# Altium PCB VCB2020_rev1.PcbDoc (part 1 of 2) (continued)
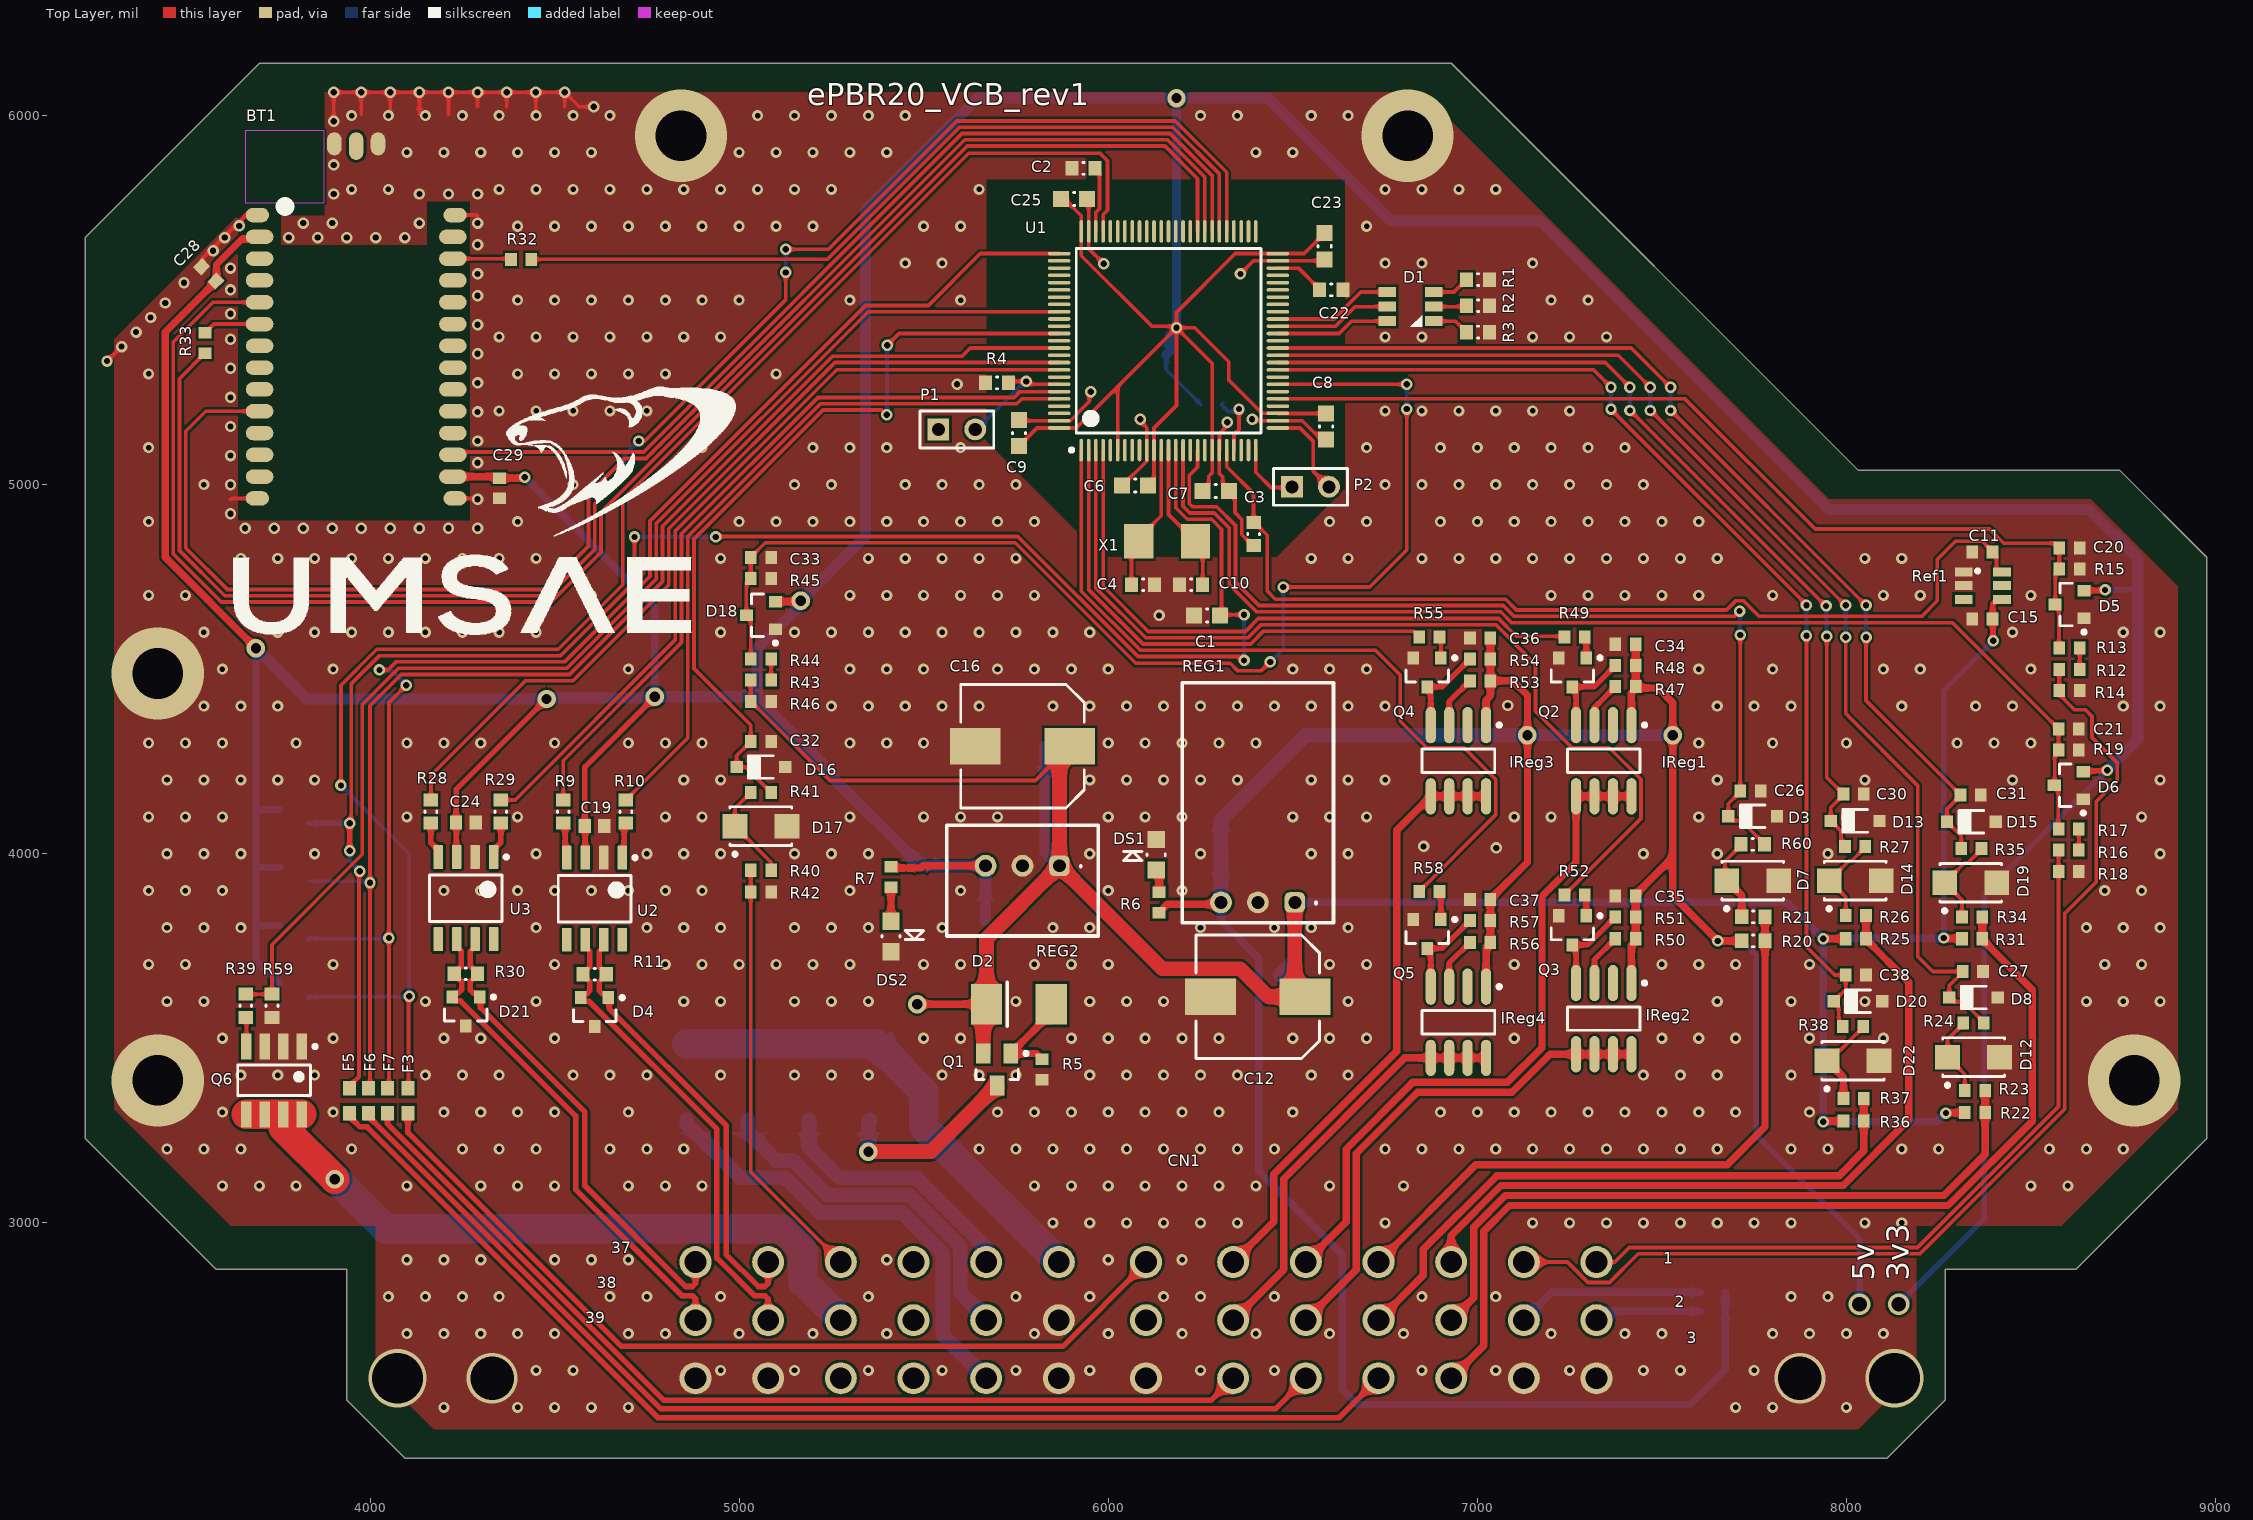
[diagram p0: Top Layer view]
## Part data (continued)
F8 F11: library part CMP-2000-05510-1, "Poly-Fuse(R) Resettable PTC, 24 V, 100 A, -40 to 85 degC, 2-Pin SMD, RoHS, Tape and Reel", Current Rating=100A, Hold Current=0.75A, Manufacturer=Littelfuse, Maximum Voltage=24VDC, Maximum Voltage DC=24V, Operating Temperature Range=-40Cto+85C, Package / Case=1812(4532metric), Package Description="2-Pin Surface Mount Device, Body 4.55 x 3.24 mm", Package Reference=1812L07524DR, Resistance=290mOhms, Trip Current=1.5A, Brand=Littelfuse, Current Rating (Max)=100A, Current Rating - Max=100A, Datasheet URL=http://www.littelfuse.com/~/media/electronics/datasheets/resettable_ptcs/littelfuse_ptc_1812l_datasheet.pdf.pdf, Datasheet Version=02/2016, Dimensions=4.37mmLx3.07mmWx0.75mmH, Factory Pack Quantity=1500, Manufacturer URL=http://www.littelfuse.com/, Mounting Style=SMD/SMT, Mounting Technology=SurfaceMount, Packaging=Reel, Product Category=ResettableFuses-PPTC, RoHS=Details, Series=1812L, Termination Style=SMD/SMT, Type=PolyFuseResettablePTC
F9 F10: library part CMP-2000-05508-1, "PTC Resettable Fuse, 0.8 W, 30 V, -40 to 85 degC, 2-Pin SMD, RoHS, Tape and Reel", Current - Hold (Ih) (Max)=500mA, Current - Max=100A, Current - Trip (It)=1A, Manufacturer=Littelfuse-Inc., Package / Case=1812(4532Metric),Concave, Package Description="2-Pin Surface Mount Device, Body 4.55 x 3.24 mm", Package Reference=1812, Voltage - Max=30V, Category=CircuitProtection, Datasheet URL=http://www.littelfuse.com/~/media/electronics/datasheets/resettable_ptcs/littelfuse_ptc_1812l_datasheet.pdf.pdf, Datasheet Version=02/2016, Family=PTCResettableFuses, Manufacturer URL=http://www.littelfuse.com/, Mounting Technology=SurfaceMount, Packaging=Tape&Reel(TR), R Min/Max=0.150~1.000Ohm, Series=POLY-FUSE®,1812L, Time to Trip=0.15s
IReg1 IReg2 IReg3 IReg4: library part "LED Currnet Driver, 500mA, 30V max", Current - Output / Channel=500mA, Frequency=-, Manufacturer="ON Semiconductor", Manufacturer Part Number=NUD4001DR2G, Operating Temperature="-40°C ~ 125°C (TA)", Package / Case="8-SOIC (0.154\", 3.90mm Width)", Supplier Device Package=8-SOIC, Supplier Part Number 1=NUD4001DR2GOSCT-ND, Voltage - Output=28V, Voltage - Supply (Max)=30V, Voltage - Supply (Min)=3.6V, Applications="Automotive, Lighting", Category="Integrated Circuits (ICs)", ComponentLink1Description=http://www.onsemi.com/pub_link/Collateral/NUD4001-D.PDF, ComponentLink1URL=http://www.onsemi.com/pub_link/Collateral/NUD4001-D.PDF, Dimming=PWM, Internal Switch(s)=Yes, Mounting Type="Surface Mount", Number of Outputs=1, Packaging="Cut Tape (CT)", Part Status=Active, Pricing 1="1=1.36, 10=1.197, 100=0.9174, 500=0.72524, 1000=0.58019 (CAD)", RoHS="RoHS Compliant", Stock 1=212669, Supplier 1=Digi-Key, Topology=-, Type=Linear
L1: library part CMP-2000-06698-1, "Chip Bead, 600 Ohm, 1 A, -55 to 125 degC, 2-Pin SMD (0603), RoHS, Tape and Reel", Current Rating (Max)=1A, DC Resistance (DCR) (Max)=200mOhm, Impedance @ Frequency=600Ohm@100MHz, Manufacturer=Bourns, Operating Temperature=-55°C~125°C, Package / Case=0603(1608Metric), Package Description="2-Pin Surface Mount Device, Body 1.6 x 0.8 mm", Package Reference=0603, Ratings=-, Standard Package=1, Supplier Part Number 1=240-2371-1-ND, Category=Filters, Datasheet URL=http://www.bourns.com/docs/Product-Datasheets/mh.pdf, Datasheet Version=03/2015, EDA / CAD Models=DownloadfromAcceleratedDesigns, Family=FerriteBeadsandChips, Filter Type=Power,SignalLine, Manufacturer URL=http://www.bourns.com/, Mounting Technology=SurfaceMount, Mounting Type=SurfaceMount, Number of Lines=1, Online Catalog=MHSeries, Other Names=MH1608-601YCT, Packaging=CutTape(CT), RoHS Information=MH1608SeriesMaterialDeclaration, Series=MH, Supplier 1=Digi-Key
P1 P2: "Header, 2-Pin", LatestRevisionDate=17-Jul-2002, LatestRevisionNote="Re-released for DXP Platform.", Publisher="Altium Limited"
Q1: library part CMP-2100-03638-1, "Single P-Channel, Logic Level, PowerTrench(R) MOSFET, 2 A, 20 V, -55 to 150 degC, 3-Pin SOT-23, RoHS, Tape and Reel", Case/Package=SOT-23, Continuous Drain Current (ID)=2A, Current Rating=-2A, Drain to Source Breakdown Voltage=-20V, Drain to Source Resistance=60mOhm, Drain to Source Voltage (Vdss)=20V, Gate to Source Voltage (Vgs)=8V, Input Capacitance=779pF, Manufacturer="Fairchild Semiconductor", Max Operating Temperature=150degC, Max Power Dissipation=500mW, Min Operating Temperature=-55degC, Package Description="3-Pin Small Outline Transistor, Body 2.92 x 1.4 mm, Pitch 0.95 mm", Package Quantity=1, Package Reference=SSOT3L, Package Version="Rev. 3, 05/2015", Threshold Voltage=-800mV, Contact Plating=Tin, Datasheet URL=https://www.fairchildsemi.com/datasheets/FD/FDN340P.pdf, Datasheet Version="Rev. E1, 02/2007", Element Configuration=Single, Fall Time=11ns, Height=0.94mm, Lead Free=LeadFree, Length=2.92mm, Manufacturer URL=https://www.fairchildsemi.com/, Mount=SurfaceMount, Number of Elements=1, Number of Pins=3, Package URL=https://www.fairchildsemi.com/package-drawings/MA/MA03B.pdf, Packaging=TapeandReel, Power Dissipation=500mW, Radiation Hardening=No, Rds On Max=70mOhm, REACH SVHC=NoSVHC, Rise Time=9ns, RoHSCompliant=true, Termination=SMD/SMT, Turn-Off Delay Time=27ns, Turn-On Delay Time=10ns, Voltage Rating (DC)=-20V, Width=3.05mm
Q2 Q3 Q4 Q5: library part CMP-1048-00593-1, "General Purpose Transistor, NPN Silicon, 3-Pin SOT-23, Tape and Reel", Manufacturer="On Semiconductor", ComponentLink1Description="Manufacturer URL", ComponentLink1URL=http://www.onsemi.com/, ComponentLink2Description=Datasheet, ComponentLink2URL=http://www.onsemi.cn/pub_link/Collateral/MMBT2222LT1-D.PDF, ComponentLink3Description="Package Specification", ComponentLink3URL=http://www.onsemi.cn/pub_link/Collateral/318-08.PDF, DatasheetVersion="Rev. 10", fT Min (MHz)=300, IC Continuous (A)=0.6, Mounting Technology="Surface Mount", PackageDescription="3-Pin Small Outline Transistor, Body 2.92 x 1.3 mm, Pitch 0.95 mm", PackageReference=SOT-23-3-318-08, PackageVersion="Rev. AP, 11/2009", Packing="Tape and Reel", PartNumber=MMBT2222ALT1, Polarity=NPN, RoHS=FALSE
Q6: library part CMP-2000-06466-1, "HEXFET (R) Power MOSFET, 30 V, -55 to 150 degC, 8-Pin SO, RoHS, Tube", Drain-Source On Resistance-Max=0.011O, Drain-to-Source Voltage [Vdss]=30V, Manufacturer="International Rectifier", Package Description="8-Pin Small Outline Integrated Circuit, Body 4.9 x 3.9 mm, Pitch 1.27 mm", Package Reference=SO-8, Rated Power Dissipation=2.5W, Supplier Part Number 1=IRF7413PBFCT-ND, Channel Type=N-Channel, Datasheet URL=http://www.infineon.com/dgdl/irf7413pbf.pdf?fileId=5546d462533600a4015355fa8e901bb8, Datasheet Version=02/2008, Manufacturer URL=http://internationalrectifier.com/, Mounting Technology=SurfaceMount, Qg Gate Charge=52nC, Supplier 1=Digi-Key
R1: library part CMP-1012-00048-1, "82R 0.1W 5% 0603 (1608 Metric)  SMD", Case-EIA=0603, Case-Metric=1608, Power="0.1 W", Tolerance="5 %", Technology=SMT
R2: library part CMP-1012-00372-1, "60R4 0.1W 1% 0603 (1608 Metric)  SMD", Case-EIA=0603, Case-Metric=1608, Power="0.1 W", Tolerance="1 %", Technology=SMT
R3: library part CMP-1012-00038-1, "33R 0.1W 5% 0603 (1608 Metric)  SMD", Case-EIA=0603, Case-Metric=1608, Power="0.1 W", Tolerance="5 %", Technology=SMT
R4: library part CMP-1012-00098-1, "10K 0.1W 5% 0603 (1608 Metric)  SMD", Case-EIA=0603, Case-Metric=1608, Power="0.1 W", Tolerance="5 %", Technology=SMT
R5 R40 R41 R42 R49 R52 R55 R58: "Resistor", Manufacturer="Panasonic Electronic Components", Manufacturer Part Number=ERJ-PA3F1001V, Operating Temperature="-55°C ~ 155°C", Package / Case="0603 (1608 Metric)", Power (Watts)="0.25W, 1/4W", Resistance (Ohms)=1k, Supplier Device Package=0603, Supplier Part Number 1=P1.0KBYCT-ND, Temperature Coefficient=±100ppm/°C, Tolerance=±1%, Category=Resistors, ComponentLink1Description=https://industrial.panasonic.com/cdbs/www-data/pdf/RDA0000/AOA0000C243.pdf, ComponentLink1URL=https://industrial.panasonic.com/cdbs/www-data/pdf/RDA0000/AOA0000C243.pdf, Composition="Thick Film", Failure Rate=-, Features="Automotive AEC-Q200, Pulse Withstanding", Height - Seated (Max)="0.022\" (0.55mm)", Number of Terminations=2, Packaging="Cut Tape (CT)", Part Status=Active, Pricing 1="1=0.22, 10=0.198, 25=0.138, 50=0.1072, 100=0.0765, 250=0.05972, 500=0.04746, 1000=0.03368 (CAD)", RoHS="RoHS Compliant", Size / Dimension="0.063\" L x 0.031\" W (1.60mm x 0.80mm)", Stock 1=56110, Supplier 1=Digi-Key
R6: "Resistor", Manufacturer=Yageo, Manufacturer Part Number=RC0603JR-07180RL, Operating Temperature="-55°C ~ 155°C", Package / Case="0603 (1608 Metric)", Power (Watts)="0.1W, 1/10W", Resistance (Ohms)=180, Supplier Device Package=0603, Supplier Part Number 1=311-180GRCT-ND, Temperature Coefficient=±100ppm/°C, Tolerance=±5%, Category=Resistors, ComponentLink1Description=http://www.yageo.com/NewPortal/yageodocoutput?fileName=/pdf/R-Chip/PYu-RC_Group_51_RoHS_L_4.pdf, ComponentLink1URL=http://www.yageo.com/NewPortal/yageodocoutput?fileName=/pdf/R-Chip/PYu-RC_Group_51_RoHS_L_4.pdf, Composition="Thick Film", Failure Rate=-, Features="Moisture Resistant", Height - Seated (Max)="0.022\" (0.55mm)", Number of Terminations=2, Packaging="Cut Tape (CT)", Part Status=Active, Pricing 1="1=0.16, 10=0.016, 25=0.0112, 50=0.0084, 100=0.0062, 250=0.0048, 500=0.00382, 1000=0.00281 (CAD)", RoHS="RoHS Compliant", Size / Dimension="0.063\" L x 0.031\" W (1.60mm x 0.80mm)", Stock 1=201936, Supplier 1=Digi-Key
R7: "Resistor", Manufacturer=Yageo, Manufacturer Part Number=RC0603JR-0782RL, Operating Temperature="-55°C ~ 155°C", Package / Case="0603 (1608 Metric)", Power (Watts)="0.1W, 1/10W", Resistance (Ohms)=82, Supplier Device Package=0603, Supplier Part Number 1=311-82GRCT-ND, Temperature Coefficient=±100ppm/°C, Tolerance=±5%, Category=Resistors, ComponentLink1Description=http://www.yageo.com/NewPortal/yageodocoutput?fileName=/pdf/R-Chip/PYu-RC_Group_51_RoHS_L_4.pdf, ComponentLink1URL=http://www.yageo.com/NewPortal/yageodocoutput?fileName=/pdf/R-Chip/PYu-RC_Group_51_RoHS_L_4.pdf, Composition="Thick Film", Failure Rate=-, Features="Moisture Resistant", Height - Seated (Max)="0.022\" (0.55mm)", Number of Terminations=2, Packaging="Cut Tape (CT)", Part Status=Active, Pricing 1="1=0.16, 10=0.016, 25=0.0112, 50=0.0084, 100=0.0062, 250=0.0048, 500=0.00382, 1000=0.00281 (CAD)", RoHS="RoHS Compliant", Size / Dimension="0.063\" L x 0.031\" W (1.60mm x 0.80mm)", Stock 1=72049, Supplier 1=Digi-Key
R8: library part CMP-1014-00050-1, "100R 0.25W 5% 1206 (3216 Metric)  SMD", Case-EIA=1206, Case-Metric=3216, Power="0.25 W", Tolerance="5 %", Technology=SMT
R9 R10 R28 R29: library part CMP-1012-00034-1, "22R 0.1W 5% 0603 (1608 Metric)  SMD", Case-EIA=0603, Case-Metric=1608, Power="0.1 W", Tolerance="5 %", Technology=SMT
R11 R30: library part CMP-1012-00052-1, "120R 0.1W 5% 0603 (1608 Metric)  SMD", Case-EIA=0603, Case-Metric=1608, Power="0.1 W", Tolerance="5 %", Technology=SMT
R12 R16: "Resistor", Manufacturer=Yageo, Manufacturer Part Number=RT0603BRD073K9L, Operating Temperature="-55°C ~ 155°C", Package / Case="0603 (1608 Metric)", Power (Watts)="0.1W, 1/10W", Resistance (Ohms)=3.9k, Supplier Device Package=0603, Supplier Part Number 1=YAG1656CT-ND, Temperature Coefficient=±25ppm/°C, Tolerance=±0.1%, Category=Resistors, ComponentLink1Description=http://www.yageo.com/documents/recent/PYu-RT_1-to-0.05_RoHS_L_6.pdf, ComponentLink1URL=http://www.yageo.com/documents/recent/PYu-RT_1-to-0.05_RoHS_L_6.pdf, Composition="Thin Film", Failure Rate=-, Features="Moisture Resistant", Height - Seated (Max)="0.022\" (0.55mm)", Number of Terminations=2, Packaging="Cut Tape (CT)", Part Status=Active, Pricing 1="1=0.55, 10=0.464, 25=0.3376, 50=0.2446, 100=0.1814, 250=0.1392, 500=0.10966, 1000=0.07592 (CAD)", RoHS="RoHS Compliant", Size / Dimension="0.063\" L x 0.031\" W (1.60mm x 0.80mm)", Stock 1=10688, Supplier 1=Digi-Key
R13 R17: "Resistor", Manufacturer=Yageo, Manufacturer Part Number=RT0603BRD071K3L, Operating Temperature="-55°C ~ 155°C", Package / Case="0603 (1608 Metric)", Power (Watts)="0.1W, 1/10W", Resistance (Ohms)=1.3k, Supplier Device Package=0603, Supplier Part Number 1=YAG1565CT-ND, Temperature Coefficient=±25ppm/°C, Tolerance=±0.1%, Category=Resistors, ComponentLink1Description=http://www.yageo.com/documents/recent/PYu-RT_1-to-0.05_RoHS_L_6.pdf, ComponentLink1URL=http://www.yageo.com/documents/recent/PYu-RT_1-to-0.05_RoHS_L_6.pdf, Composition="Thin Film", Failure Rate=-, Features="Moisture Resistant", Height - Seated (Max)="0.022\" (0.55mm)", Number of Terminations=2, Packaging="Cut Tape (CT)", Part Status=Active, Pricing 1="1=0.55, 10=0.464, 25=0.3376, 50=0.2446, 100=0.1814, 250=0.1392, 500=0.10966, 1000=0.07592 (CAD)", RoHS="RoHS Compliant", Size / Dimension="0.063\" L x 0.031\" W (1.60mm x 0.80mm)", Stock 1=2236, Supplier 1=Digi-Key
R14 R18 R22 R25 R31 R36 R46: "Resistor", Manufacturer=Yageo, Manufacturer Part Number=RC0603JR-0710KL, Operating Temperature="-55°C ~ 155°C", Package / Case="0603 (1608 Metric)", Power (Watts)="0.1W, 1/10W", Resistance (Ohms)=10k, Supplier Device Package=0603, Supplier Part Number 1=311-10KGRCT-ND, Temperature Coefficient=±100ppm/°C, Tolerance=±5%, Category=Resistors, ComponentLink1Description=http://www.yageo.com/NewPortal/yageodocoutput?fileName=/pdf/R-Chip/PYu-RC_Group_51_RoHS_L_4.pdf, ComponentLink1URL=http://www.yageo.com/NewPortal/yageodocoutput?fileName=/pdf/R-Chip/PYu-RC_Group_51_RoHS_L_4.pdf, Composition="Thick Film", Failure Rate=-, Features="Moisture Resistant", Height - Seated (Max)="0.022\" (0.55mm)", Number of Terminations=2, Packaging="Cut Tape (CT)", Part Status=Active, Pricing 1="1=0.16, 10=0.016, 25=0.0112, 50=0.0084, 100=0.0062, 250=0.0048, 500=0.00382, 1000=0.00281 (CAD)", RoHS="RoHS Compliant", Size / Dimension="0.063\" L x 0.031\" W (1.60mm x 0.80mm)", Stock 1=2936292, Supplier 1=Digi-Key
R15 R19 R45: "Resistor", Manufacturer=Yageo, Manufacturer Part Number=RT0603BRD0710KL, Operating Temperature="-55°C ~ 155°C", Package / Case="0603 (1608 Metric)", Power (Watts)="0.1W, 1/10W", Resistance (Ohms)=10k, Supplier Device Package=0603, Supplier Part Number 1=YAG1236CT-ND, Temperature Coefficient=±25ppm/°C, Tolerance=±0.1%, Category=Resistors, ComponentLink1Description=http://www.yageo.com/documents/recent/PYu-RT_1-to-0.05_RoHS_L_6.pdf, ComponentLink1URL=http://www.yageo.com/documents/recent/PYu-RT_1-to-0.05_RoHS_L_6.pdf, Composition="Thin Film", Failure Rate=-, Features="Moisture Resistant", Height - Seated (Max)="0.022\" (0.55mm)", Number of Terminations=2, Packaging="Cut Tape (CT)", Part Status=Active, Pricing 1="1=0.5, 10=0.42, 25=0.3048, 50=0.2212, 100=0.164, 250=0.12592, 500=0.0992, 1000=0.06867 (CAD)", RoHS="RoHS Compliant", Size / Dimension="0.063\" L x 0.031\" W (1.60mm x 0.80mm)", Stock 1=2958, Supplier 1=Digi-Key
R20: library part CMP-1012-00122-1, "100K 0.1W 5% 0603 (1608 Metric)  SMD", Case-EIA=0603, Case-Metric=1608, Power="0.1 W", Tolerance="5 %", Technology=SMT
R21 R60: library part CMP-1012-00115-1, "51K 0.1W 5% 0603 (1608 Metric)  SMD", Case-EIA=0603, Case-Metric=1608, Power="0.1 W", Tolerance="5 %", Technology=SMT
R23 R24 R26 R27 R34 R35 R37 R38: "Resistor", Manufacturer=Yageo, Manufacturer Part Number=RC0603JR-075K1L, Operating Temperature="-55°C ~ 155°C", Package / Case="0603 (1608 Metric)", Power (Watts)="0.1W, 1/10W", Resistance (Ohms)=5.1k, Supplier Device Package=0603, Supplier Part Number 1=311-5.1KGRCT-ND, Temperature Coefficient=±100ppm/°C, Tolerance=±5%, Category=Resistors, ComponentLink1Description=http://www.yageo.com/NewPortal/yageodocoutput?fileName=/pdf/R-Chip/PYu-RC_Group_51_RoHS_L_4.pdf, ComponentLink1URL=http://www.yageo.com/NewPortal/yageodocoutput?fileName=/pdf/R-Chip/PYu-RC_Group_51_RoHS_L_4.pdf, Composition="Thick Film", Failure Rate=-, Features="Moisture Resistant", Height - Seated (Max)="0.022\" (0.55mm)", Number of Terminations=2, Packaging="Cut Tape (CT)", Part Status=Active, Pricing 1="1=0.16, 10=0.016, 25=0.0112, 50=0.0084, 100=0.0062, 250=0.0048, 500=0.00382, 1000=0.00281 (CAD)", RoHS="RoHS Compliant", Size / Dimension="0.063\" L x 0.031\" W (1.60mm x 0.80mm)", Stock 1=782184, Supplier 1=Digi-Key
R32 R33: "Resistor", Manufacturer=Yageo, Manufacturer Part Number=RC0603JR-0722RL, Operating Temperature="-55°C ~ 155°C", Package / Case="0603 (1608 Metric)", Power (Watts)="0.1W, 1/10W", Resistance (Ohms)=22, Supplier Device Package=0603, Supplier Part Number 1=311-22GRCT-ND, Temperature Coefficient=±100ppm/°C, Tolerance=±5%, Category=Resistors, ComponentLink1Description=http://www.yageo.com/NewPortal/yageodocoutput?fileName=/pdf/R-Chip/PYu-RC_Group_51_RoHS_L_4.pdf, ComponentLink1URL=http://www.yageo.com/NewPortal/yageodocoutput?fileName=/pdf/R-Chip/PYu-RC_Group_51_RoHS_L_4.pdf, Composition="Thick Film", Failure Rate=-, Features="Moisture Resistant", Height - Seated (Max)="0.022\" (0.55mm)", Number of Terminations=2, Packaging="Cut Tape (CT)", Part Status=Active, Pricing 1="1=0.16, 10=0.016, 25=0.0112, 50=0.0084, 100=0.0062, 250=0.0048, 500=0.00382, 1000=0.00281 (CAD)", RoHS="RoHS Compliant", Size / Dimension="0.063\" L x 0.031\" W (1.60mm x 0.80mm)", Stock 1=603781, Supplier 1=Digi-Key
R39: library part CMP-1012-00397-1, "100R 0.1W 1% 0603 (1608 Metric)  SMD", Case-EIA=0603, Case-Metric=1608, Power="0.1 W", Tolerance="1 %", Technology=SMT
R43: "Resistor", Manufacturer=Yageo, Manufacturer Part Number=RT0603BRD0739KL, Operating Temperature="-55°C ~ 155°C", Package / Case="0603 (1608 Metric)", Power (Watts)="0.1W, 1/10W", Resistance (Ohms)=39k, Supplier Device Package=0603, Supplier Part Number 1=YAG1649CT-ND, Temperature Coefficient=±25ppm/°C, Tolerance=±0.1%, Category=Resistors, ComponentLink1Description=http://www.yageo.com/documents/recent/PYu-RT_1-to-0.05_RoHS_L_6.pdf, ComponentLink1URL=http://www.yageo.com/documents/recent/PYu-RT_1-to-0.05_RoHS_L_6.pdf, Composition="Thin Film", Failure Rate=-, Features="Moisture Resistant", Height - Seated (Max)="0.022\" (0.55mm)", Number of Terminations=2, Packaging="Cut Tape (CT)", Part Status=Active, Pricing 1="1=0.55, 10=0.464, 25=0.3376, 50=0.2446, 100=0.1814, 250=0.1392, 500=0.10966, 1000=0.07592 (CAD)", RoHS="RoHS Compliant", Size / Dimension="0.063\" L x 0.031\" W (1.60mm x 0.80mm)", Stock 1=2740, Supplier 1=Digi-Key
R44: "Resistor", Manufacturer=Yageo, Manufacturer Part Number=AT0603BRD072KL, Operating Temperature="-55°C ~ 155°C", Package / Case="0603 (1608 Metric)", Power (Watts)="0.1W, 1/10W", Resistance (Ohms)=2k, Supplier Device Package=0603, Supplier Part Number 1=YAG2112CT-ND, Temperature Coefficient=±25ppm/°C, Tolerance=±0.1%, Category=Resistors, ComponentLink1Description=http://www.yageo.com/documents/recent/PYu-AT_51_RoHS_L-3.pdf, ComponentLink1URL=http://www.yageo.com/documents/recent/PYu-AT_51_RoHS_L-3.pdf, Composition="Thin Film", Failure Rate=-, Features="Anti-Sulfur, Automotive AEC-Q200, Moisture Resistant", Height - Seated (Max)="0.022\" (0.55mm)", Number of Terminations=2, Packaging="Cut Tape (CT)", Part Status=Active, Pricing 1="1=0.59, 10=0.431, 25=0.3188, 50=0.235, 100=0.1725, 250=0.14248, 500=0.11746, 1000=0.08498 (CAD)", RoHS="RoHS Compliant", Size / Dimension="0.063\" L x 0.032\" W (1.60mm x 0.80mm)", Stock 1=1218, Supplier 1=Digi-Key
R47 R50 R53 R56: "Resistor", Manufacturer=Yageo, Manufacturer Part Number=RC0603FR-072RL, Operating Temperature="-55°C ~ 155°C", Package / Case="0603 (1608 Metric)", Power (Watts)="0.1W, 1/10W", Resistance (Ohms)=2, Supplier Device Package=0603, Supplier Part Number 1=311-2.00HRCT-ND, Temperature Coefficient=±200ppm/°C, Tolerance=±1%, Category=Resistors, ComponentLink1Description=http://www.yageo.com/NewPortal/yageodocoutput?fileName=/pdf/R-Chip/PYu-RC_Group_51_RoHS_L_4.pdf, ComponentLink1URL=http://www.yageo.com/NewPortal/yageodocoutput?fileName=/pdf/R-Chip/PYu-RC_Group_51_RoHS_L_4.pdf, Composition="Thick Film", Failure Rate=-, Features="Moisture Resistant", Height - Seated (Max)="0.022\" (0.55mm)", Number of Terminations=2, Packaging="Cut Tape (CT)", Part Status=Active, Pricing 1="1=0.16, 10=0.03, 25=0.022, 50=0.0166, 100=0.0122, 250=0.00936, 500=0.00746, 1000=0.0055 (CAD)", RoHS="RoHS Compliant", Size / Dimension="0.063\" L x 0.031\" W (1.60mm x 0.80mm)", Stock 1=84378, Supplier 1=Digi-Key
R48 R51 R54 R57: "Resistor", Manufacturer=Yageo, Manufacturer Part Number=RC0603JR-07110KL, Operating Temperature="-55°C ~ 155°C", Package / Case="0603 (1608 Metric)", Power (Watts)="0.1W, 1/10W", Resistance (Ohms)=110k, Supplier Device Package=0603, Supplier Part Number 1=311-110KGRCT-ND, Temperature Coefficient=±100ppm/°C, Tolerance=±5%, Category=Resistors, ComponentLink1Description=http://www.yageo.com/NewPortal/yageodocoutput?fileName=/pdf/R-Chip/PYu-RC_Group_51_RoHS_L_4.pdf, ComponentLink1URL=http://www.yageo.com/NewPortal/yageodocoutput?fileName=/pdf/R-Chip/PYu-RC_Group_51_RoHS_L_4.pdf, Composition="Thick Film", Failure Rate=-, Features="Moisture Resistant", Height - Seated (Max)="0.022\" (0.55mm)", Number of Terminations=2, Packaging="Cut Tape (CT)", Part Status=Active, Pricing 1="1=0.16, 10=0.016, 25=0.0112, 50=0.0084, 100=0.0062, 250=0.0048, 500=0.00382, 1000=0.00281 (CAD)", RoHS="RoHS Compliant", Size / Dimension="0.063\" L x 0.031\" W (1.60mm x 0.80mm)", Stock 1=85509, Supplier 1=Digi-Key
R59: library part CMP-1012-00623-1, "10K 0.1W 1% 0603 (1608 Metric)  SMD", Case-EIA=0603, Case-Metric=1608, Power="0.1 W", Tolerance="1 %", Technology=SMT
Ref1: Current - Cathode=-, Current - Output=10mA, Current - Supply=600µA, Digikey Part Number=LT6654AHS6-3.3#TRMPBFCT-ND, Manufacturer="Linear Technology", Operating Temperature="-40°C ~ 125°C (TA)", Package / Case="SOT-23-6 Thin, TSOT-23-6", Supplier Device Package=TSOT-23-6, Temperature Coefficient=10ppm/°C, Tolerance=±0.05%, Voltage - Input="3.8 V ~ 36 V", Voltage - Output (Min/Fixed)=3.3V, Category="Integrated Circuits (ICs)", ComponentLink1Description=http://www.linear.com/docs/29677, ComponentLink1URL=http://www.linear.com/docs/29677, Digikey Link=http://www.digikey.com/product-detail/en/linear-technology/LT6654AHS6-3.3-TRMPBF/LT6654AHS6-3.3-TRMPBFCT-ND/2485839, Manufacturer Part Number=LT6654AHS6-3.3, Mounting Type="Surface Mount", Noise - 0.1Hz to 10Hz=1.7ppmp-p, Noise - 10Hz to 10kHz=2ppmrms, Output Type=Fixed, Packaging="Cut Tape (CT)", Part Status=Active, Pricing 1="1=9.53, 25=8.508, 100=5.5596, 250=5.1048 (CAD)", Reference Type=Series, RoHS="RoHS Compliant", Stock 1=1315, Supplier 1=Digi-Key, Supplier Part Number 1=LT6654AHS6-3.3#TRMPBFCT-ND, Voltage - Output (Max)=-
REG1: Current - Output (Max)=1.5A, Manufacturer="Murata Power Solutions Inc.", Manufacturer Part Number=OKI-78SR-3.3/1.5-W36-C, Operating Temperature="-40°C ~ 85°C", Package / Case="3-SIP Module", Power (Watts) - Manufacture Series=5W, Supplier Part Number 1=811-2195-5-ND, Voltage - Input (Max)=36V, Voltage - Input (Min)=7V, Voltage - Isolation=-, Voltage - Output 1=3.3V, Applications="ITE (Commercial)", Category="Power Supplies - Board Mount", ComponentLink1Description=http://www.murata-ps.com/data/power/oki-78sr.pdf, ComponentLink1URL=http://www.murata-ps.com/data/power/oki-78sr.pdf, ComponentLink2Description=http://power.murata.com/data/power/oki-78sr.pdf, ComponentLink2URL=http://power.murata.com/data/power/oki-78sr.pdf, Efficiency=85.5%, Features=SCP, Mounting Type="Through Hole", Number of Outputs=1, Packaging=Tube, Part Status=Active, Power (Watts) - Max=5W, Pricing 1="1=6.23, 5=6.174, 10=6.132, 25=6.0444, 50=5.856, 100=5.4792, 250=5.22456 (CAD)", Pricing 2="1=6.31, 5=6.248, 10=6.205, 25=6.1168, 50=5.9262, 100=5.5449, 250=5.28716 (CAD)", RoHS="RoHS Compliant", Size / Dimension="0.41\" L x 0.30\" W x 0.65\" H (10.4mm x 7.6mm x 16.5mm)", Stock 1=3616, Stock 2=10314, Supplier 1=Digi-Key, Supplier 2=Digi-Key, Supplier Part Number 2=811-2692-ND, Type="Linear Regulator Replacement", Voltage - Output 2=-, Voltage - Output 3=-
REG2: library part OKI-78SR-5, "3.3V DCDC", Current - Output (Max)=1.5A, Manufacturer="Murata Power Solutions Inc.", Manufacturer Part Number=OKI-78SR-3.3/1.5-W36H-C, Operating Temperature="-40°C ~ 85°C", Package / Case="3-SIP Module", Power (Watts) - Manufacture Series=5W, Supplier Part Number 1=811-2196-5-ND, Voltage - Input (Max)=36V, Voltage - Input (Min)=7V, Voltage - Isolation=-, Voltage - Output 1=3.3V, Applications="ITE (Commercial)", Category="Power Supplies - Board Mount", ComponentLink1Description=http://power.murata.com/data/power/oki-78sr.pdf, ComponentLink1URL=http://power.murata.com/data/power/oki-78sr.pdf, Efficiency=85.5%, Features=SCP, Mounting Type="Through Hole", Number of Outputs=1, Packaging=Tray, Part Status=Active, Pricing 2="1=6.31, 5=6.248, 10=6.205, 25=6.1168, 50=5.9262, 100=5.5449, 250=5.28716 (CAD)", RoHS="RoHS Compliant", Size / Dimension="0.65\" L x 0.41\" W x 0.30\" H (16.5mm x 10.4mm x 7.6mm)", Stock 2=4108, Supplier 1=Digi-Key, Supplier 2=Digi-Key, Supplier Part Number 2=811-3014-ND, Type="Linear Regulator Replacement", Voltage - Output 2=-, Voltage - Output 3=-
U1: library part CMP-0243-00221-1, "ARM Cortex-M4 32-bit MCU+FPU, 512 KB Flash, 128 KB Internal RAM, 81 I/Os, 100-Pin LQFP, -40 to 105 degC, Tray", I/Os (High Current)=81, Operating Frequency(F) (Processor speed) (MHz)=180, Package Description=LQFP100, Package Reference="100-Pin Low Profile Quad Flat Package, Body 14 x 14 mm, Pitch 0.5 mm", Supply Voltage(Vcc) min (V)=1.7, ComponentLink1Description="Manufacturer URL", ComponentLink1URL=http://www.st.com/, ComponentLink2Description=Datasheet, ComponentLink2URL=http://www.st.com/st-web-ui/static/active/en/resource/technical/document/datasheet/DM00141306.pdf, Core="ARM Cortex-M4", D/A Converter=2, DatasheetVersion="Rev. 6", FLASH Size (Prog) (kB)=512, Internal RAM Size (kB)=128, Mounting Technology="Surface Mount", Packing=Tray, PartId=1
U2 U3: library part CMP-0315-00075-2, "3.3 V Can Transceiver, 17 mA, -40 to 85 degC, 8-pin SOIC (D), Green (RoHS & no Sb/Br)", Drivers Per Package=1, Manufacturer="Texas Instruments", Rating=Catalog, Supply Voltage(s)(V)=3.3, Code_JEDEC=MS-012AA, ComponentLink1Description=Datasheet, ComponentLink1URL=http://www.ti.com/general/docs/lit/getliterature.tsp?genericPartNumber=SN65HVD232&fileType=pdf, DatasheetVersion=SLOS346K, Eco-Plan="Green (RoHS & no Sb/Br)", ICC(Max)(mA)=17, Isolated=No, Mounting Technology="Surface Mount", PackageDescription="8-Pin Plastic Small Outline Integrated Circuit, 4.9 x 3.9 mm, Pitch 1.27 mm Pitch", PackageReference=D0008A, PackageVersion="revM, Jun-2011", PartNumber=SN65HVD232DR, Receivers Per Package=1, SubFamily=CAN, Transient Pulse Protection(V)="-25 to 25"
X1: library part "8MHz crystal, 7A-8.000MAAJ-T", ESR (Equivalent Series Resistance)="80 Ohm", Frequency=8MHz, Frequency Stability=±30ppm, Load Capacitance=18pF, Manufacturer="TXC CORPORATION", Operating Mode=Fundamental, Operating Temperature="-20°C ~ 70°C", Package / Case="2-SMD, No Lead", Ratings=-, Supplier Part Number 1=887-1448-1-ND, Category="Crystals, Oscillators, Resonators", ComponentLink1Description=http://www.txccrystal.com/images/pdf/7a.pdf, ComponentLink1URL=http://www.txccrystal.com/images/pdf/7a.pdf, Frequency Tolerance=±30ppm, Height - Seated (Max)="0.053\" (1.35mm)", Manufacturer Part Number=7A-8.000MAAJ-T, Mounting Type="Surface Mount", Packaging="Cut Tape (CT)", Part Status=Active, Pricing 1="1=1.12, 10=0.989, 50=0.9234, 100=0.8162, 500=0.77322 (CAD)", RoHS="RoHS Compliant", Size / Dimension="0.197\" L x 0.126\" W (5.00mm x 3.20mm)", Stock 1=30692, Supplier 1=Digi-Key, Type="MHz Crystal"

## Via types
v1: diameter 30, hole 15, Top Layer to Bottom Layer, 653 vias
v2: diameter 31, hole 17, Top Layer to Bottom Layer, 127 vias
v3: diameter 50, hole 28, Top Layer to Bottom Layer, 10 vias
v4: diameter 250, hole 137, Top Layer to Bottom Layer, 5 vias
v5: diameter 59.06, hole 39.37, Top Layer to Bottom Layer, 2 vias
v6: diameter 137.8, hole 118.11, Top Layer to Bottom Layer, 2 vias
v7: diameter 157.48, hole 137.8, Top Layer to Bottom Layer, 2 vias

## Nets (pads, with @x,y where several pads share a name; then routed paths per layer and width w, separated by ;. In a path a pad name is that pad's centre, name@x,y a point inside that pad or via, vN(x,y) a via of type N, cw(c..) or ccw(c..) an arc to the next point about the centre after c; other vN are vias at no path point)
3v3: BT1.2 BT1.16 C5.2 C6.2 C7.2 C8.2 C9.2 C18.2 C19.2 C23.2 C24.2 C25.2 C28.2 C29.2 D5.2 D6.2 D9.2 D10.2 D11.2 D18.2 D23.2 L1.1 R7.1 R8.2 REG2.3 U1.6 U1.11 U1.19 U1.28 U1.50 U1.75 U1.100 U2.3 U3.3 | length 19375.2
  Top Layer w10: C9.2@5757.87,5104.33 5807.09,5153.54 U1.100@5867.13,5153.54 5913.39,5153.54 6025.59,5265.75 ; C25.2@5860.24,5773.79 5866.31,5767.72 5887.8,5767.72 5927.24,5728.27 5927.24,5686.1 U1.75@5927.17,5686.02 5927.24,5685.94 5927.24,5620 6118.43,5428.81 6181.42,5428.81 6181.42,5421.58 6025.59,5265.75 ; U1.6@6025.59,5093.5 6025.59,5265.75 ; C6.2@6108.27,4998.03 6124.02,5013.78 U1.11@6124.02,5093.5 6124.02,5153.54 6185.04,5214.57 v2(6185.04,5425.2) ; C7.2@6255.91,4982.28 6272.56,4998.94 6272.56,5022.56 6281.5,5031.5 U1.19@6281.5,5093.5 6281.5,5328.74 v2(6185.04,5425.2) ; C23.2@6586.61,5681.27 6531.33,5625.98 U1.50@6459.65,5625.98 6344.49,5625.98 6185.04,5466.54 v2(6185.04,5425.2) ; C8.2@6590.55,5179.13 6576.77,5192.91 U1.28@6459.65,5192.91 6459.57,5192.99 6417.24,5192.99 6326.73,5283.5 6326.73,5332.72 6234.25,5425.2 v2(6185.04,5425.2)
  Top Layer w15: U3.3@4234.68,3990.97 4233.89,3991.76 4233.89,4083.86 C24.2@4233.1,4084.65 4233.1,4174.05 v3(4478.25,4419.19) ; U2.3@4583.44,3989.34 4582.65,3990.13 4582.65,4074.35 C19.2@4581.86,4075.14 4581.86,4235.4 v3(4771.65,4425.2) ; D6.2@8641.73,4222.44 8643.7,4224.41 8704.72,4224.41 v2(8706.69,4226.38) ; D5.2@8643.7,4712.6 8644.68,4713.58 8699.8,4713.58 v2(8700.79,4714.57)
  Top Layer w20: C28.2@3582.48,5551.38 3584.17,5553.07 3584.17,5596.28 3653.25,5665.35 3694.88,5665.35 BT1.2@3700.79,5671.26 ; C28.2@3582.68,5551.18 3444.88,5413.39 3444.88,4803.15 v3(3690.94,4557.09) ; BT1.16@4224.41,5021.65 4346.46,5021.65 C29.2@4350.39,5017.72 4417.32,5017.72 v2(4419.29,5019.69) ; D18.2@5098.43,4683.07 5165.35,4683.07 v3(5167.32,4685.04) ; R7.1@5411.42,3964.57 5414.76,3961.22 5492.13,3961.22 5498.23,3967.32 REG2.3@5667.72,3967.32
  Bottom Layer w10: C5.2@6157.48,5352.36 6157.48,5311.02 L1.1@6251.97,5216.54
  Bottom Layer w15: v5(8141.73,2779.53) 8374.02,3011.81 8374.02,3893.7 v2(8706.69,4226.38) ; v2(8700.79,4714.57) 8785.43,4714.57 8789.37,4718.5
  Bottom Layer w20: v3(3690.94,4557.09) 3690.94,4118.11 ; D23.2@3755.91,3648.48 3753.94,3648.48 3692.91,3709.51 3690.94,3709.51 3690.94,3807.09 ; D11.2@3755.91,3805.54 3692.49,3805.54 3690.94,3807.09 ; D10.2@3755.91,3962.6 3692.91,3962.6 3690.94,3964.57 ; D9.2@3755.91,4119.66 3692.49,4119.66 3690.94,4118.11 ; v2(4419.29,5019.69) 4771.65,4667.32 v3(4771.65,4425.2) ; 3690.94,3807.09 3690.94,3964.57 ; 3690.94,3964.57 3690.94,4118.11
  Bottom Layer w25: C5.2@6157.48,5352.36 6166.63,5361.52 6166.63,5405.17 6185.04,5423.57 v2(6185.04,5425.2) v3(6185.04,6047.24)
  Bottom Layer w30: v3(3690.94,4557.09) 3828.84,4419.19 v3(4478.25,4419.19) 4481.25,4422.19 4768.65,4422.19 v3(4771.65,4425.2) 5045.28,4425.2 ; C18.2@5665.35,3818.9 5667.72,3821.26 REG2.3@5667.72,3967.32 5503.15,3967.32 R8.2@5492.13,3978.35 5481.3,3978.35 5257.5,4202.15 5257.5,4212.97 5045.28,4425.2 ; v2(8706.69,4226.38) 8789.37,4309.06 8789.37,4718.5 8789.37,4801.18 8657.48,4933.07 7952.76,4933.07 7171.26,5714.57 6765.75,5714.57 6433.07,6047.24 v3(6185.04,6047.24) 5645.67,6047.24 5342.52,5744.09 5342.52,4860.24 v3(5167.32,4685.04) 5167.32,4675.2 5049.21,4557.09 5049.21,4429.13 5045.28,4425.2
3v3ref: C3.2 C11.2 Ref1.6 U1.21 | length 2674.2
  Top Layer w10: U1.21@6320.87,5093.5 6320.94,5093.43 6320.94,5048.39 6393.7,4975.63 C3.2@6393.7,4897.64 6395.67,4897.64 6430.57,4862.74 6430.57,4711.7 6452.76,4689.51 7077.34,4689.51 7106.3,4660.55 7674.81,4660.55 7699.24,4684.98 7722.02,4684.98 7764.02,4642.98 8204.01,4642.98 8246.06,4685.04 8246.06,4797.24 8295.63,4846.81 8367.92,4846.81 8395.67,4819.07 C11.2@8395.67,4817.1 8406.42,4806.35 8406.42,4770.98 8413.62,4763.78 Ref1.6@8421.26,4763.78